# Altium PCB RFC_MB.PcbDoc (part 34 of 37) (continued)
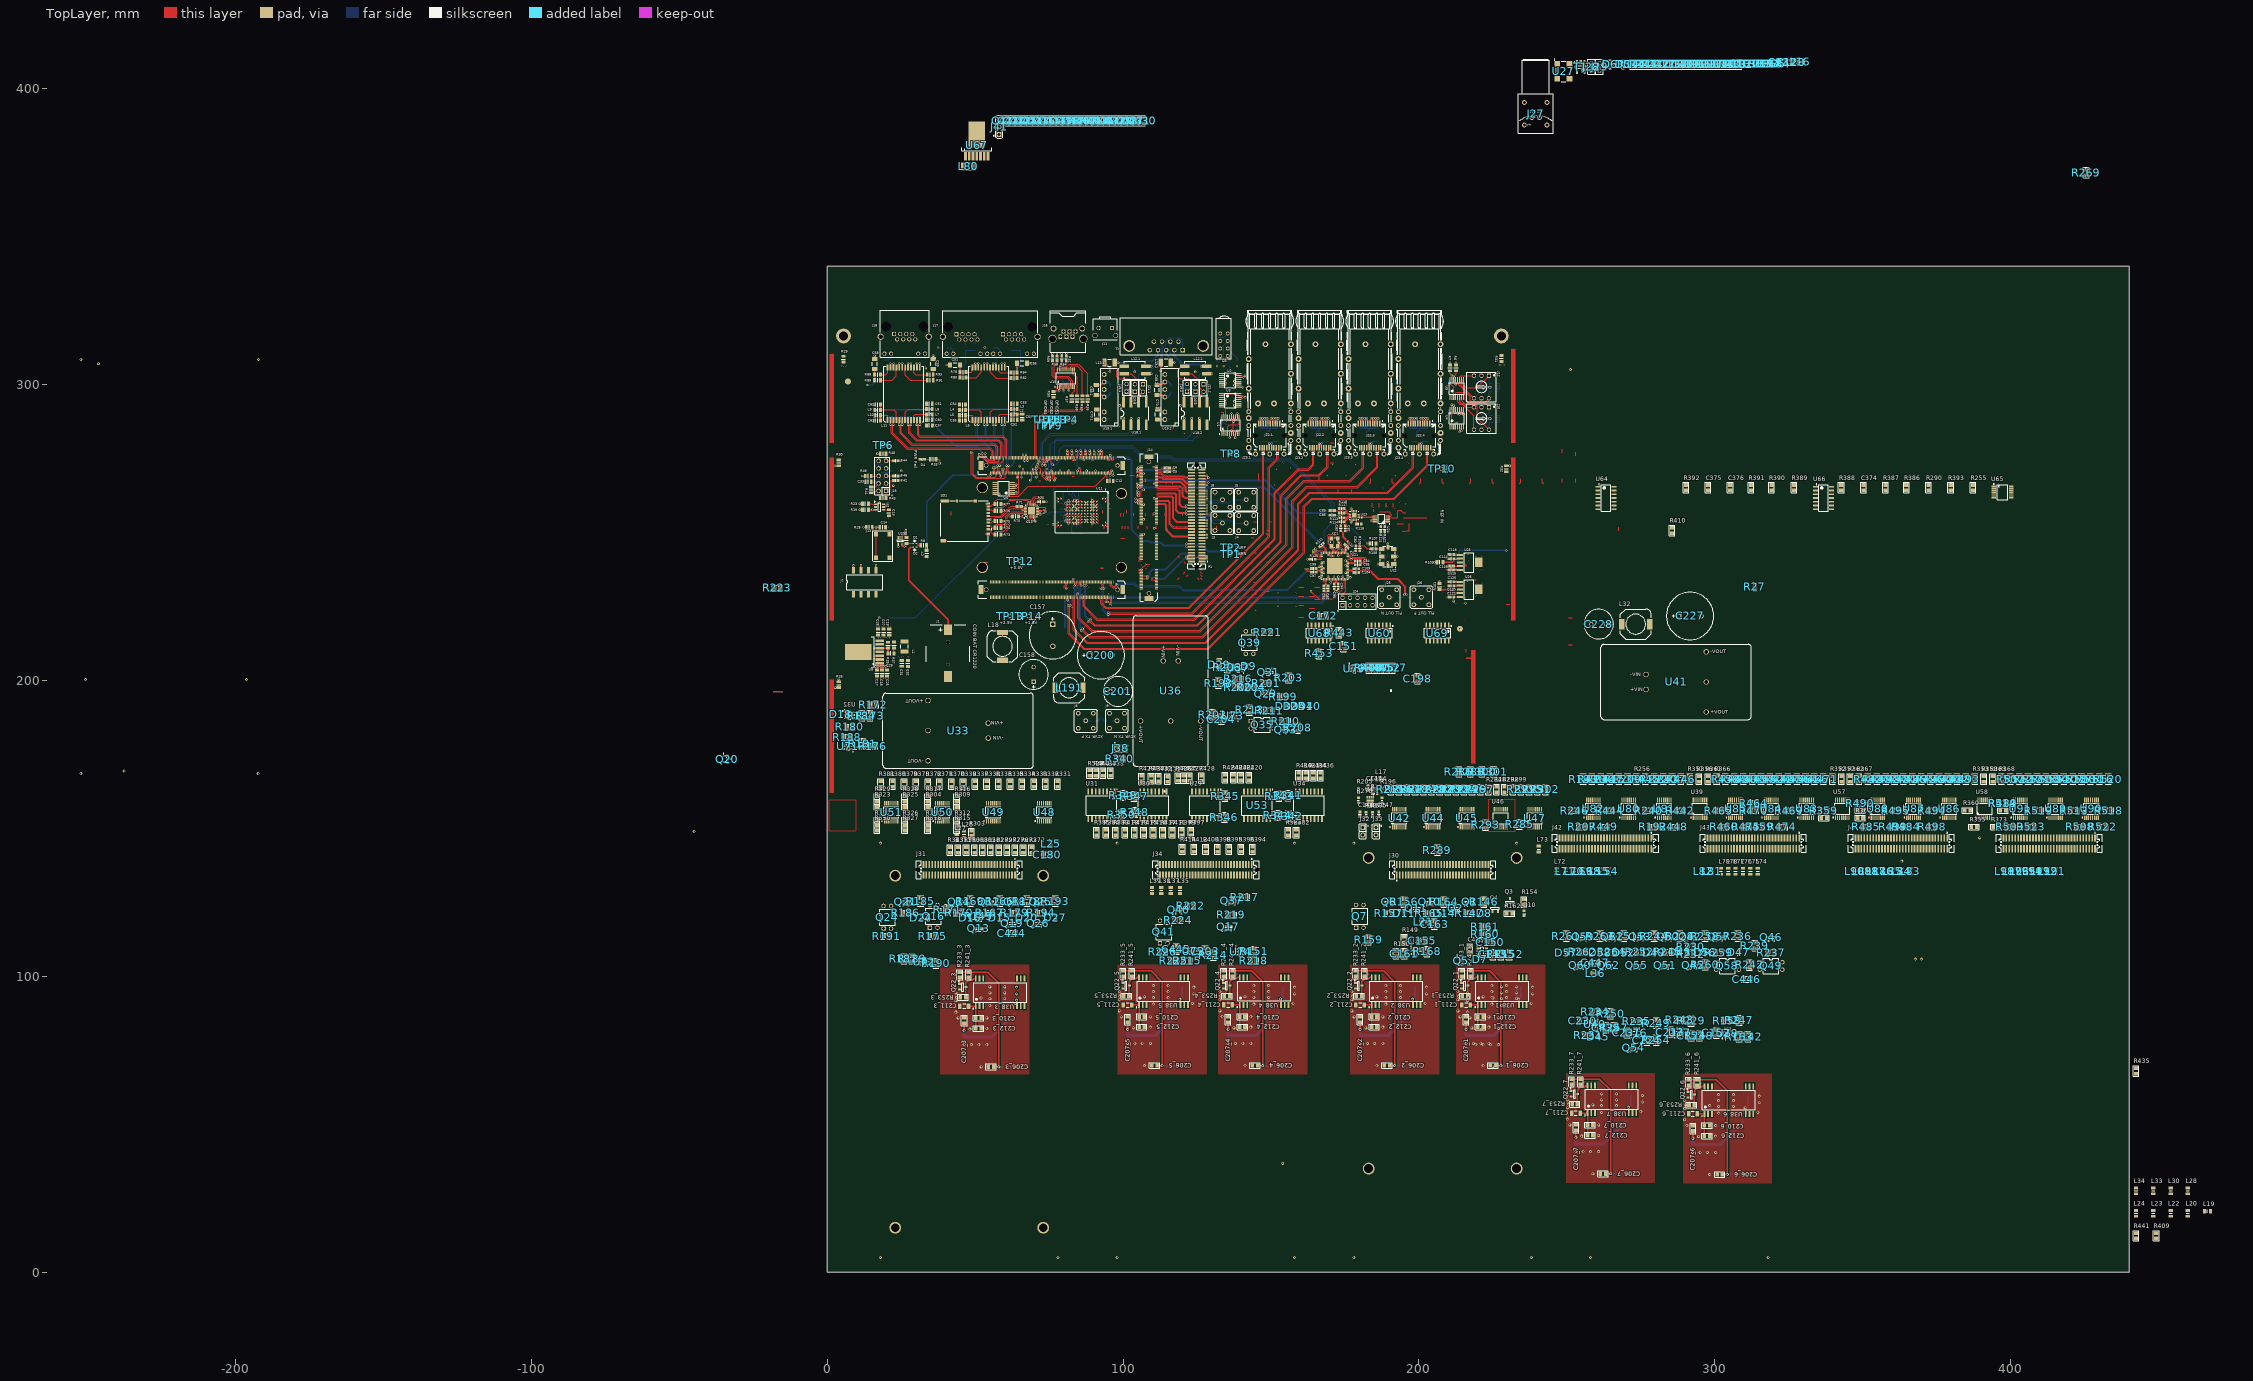
[diagram p0: TopLayer view]
## Nets (pads, with @x,y where several pads share a name; then routed paths per layer and width w, separated by ;. In a path a pad name is that pad's centre, name@x,y a point inside that pad or via, vN(x,y) a via of type N, cw(c..) or ccw(c..) an arc to the next point about the centre after c; other vN are vias at no path point) (continued)
EnAmp: J30.34 U46.5
ETH0_A_N: J14.A163 L11.3 U15.1 | length 44.3
  TopLayer w0.25: L11.3@22.39,288 v1(22.39,286.425) 22.108,286.142 22.108,283.744 27.301,278.55 55.101,278.55 56.138,277.514 56.138,275.962 56.175,275.925 J14.A163@56.175,275.25
  BottomLayer w0.25: U15.1@22.08,287.335 22.39,287.025 v1(22.39,286.425)
ETH0_A_P: J14.A165 L11.2 U15.3 | length 47.2
  TopLayer w0.25: L11.2@21.4,288 v1(21.4,286.425) 21.683,286.142 21.683,283.567 27.125,278.125 54.925,278.125 55.713,277.337 55.713,275.962 55.675,275.925 J14.A165@55.675,275.25
  BottomLayer w0.25: v1(21.4,286.425) 20.915,286.91 20.915,288.785 21.365,289.235 U15.3@22.08,289.235
ETH0_B_N: J14.A157 L11.6 U15.4 | length 46.6
  TopLayer w0.25: L11.6@25.36,288 v1(25.36,286.425) 25.078,286.142 25.078,283.624 28.776,279.925 56.601,279.925 57.637,278.889 57.637,275.962 57.675,275.925 J14.A157@57.675,275.25
  BottomLayer w0.25: U15.4@24.68,289.235 25.395,289.235 25.845,288.785 25.845,286.91 v1(25.36,286.425)
ETH0_B_P: J14.A159 L11.5 U15.6 | length 43.7
  TopLayer w0.25: L11.5@24.37,288 v1(24.37,286.425) 24.652,286.142 24.652,283.448 28.6,279.5 56.425,279.5 57.212,278.712 57.212,275.962 57.175,275.925 J14.A159@57.175,275.25
  BottomLayer w0.25: v1(24.37,286.425) 24.37,287.085 24.62,287.335 U15.6@24.68,287.335
ETH0_C_N: J14.A151 L11.9 U16.1 | length 43
  TopLayer w0.25: L11.9@28.33,288 v1(28.33,286.425) 28.048,286.142 28.048,283.627 30.35,281.325 57.976,281.325 59.138,280.164 59.138,275.962 59.175,275.925 J14.A151@59.175,275.25
  BottomLayer w0.25: U16.1@28.02,287.335 28.33,287.025 v1(28.33,286.425)
ETH0_C_P: J14.A153 L11.8 U16.3 | length 45.9
  TopLayer w0.25: L11.8@27.34,288 v1(27.34,286.425) 27.623,286.142 27.623,283.451 30.174,280.9 57.8,280.9 58.713,279.988 58.713,275.962 58.675,275.925 J14.A153@58.675,275.25
  BottomLayer w0.25: v1(27.34,286.425) 26.855,286.91 26.855,288.785 27.305,289.235 U16.3@28.02,289.235
ETH0_CTREF: C57.2 J14.A155 L7.2 L8.2 L9.2 L10.2 | length 58.2
  TopLayer w0.25: L10.2@16.06,289.585 v1(16.785,289.585) ; L9.2@16.06,291.385 v1(16.785,291.385) ; v1(34.785,289.885) L7.2@35.51,289.885 ; v1(34.785,291.685) L8.2@35.51,291.685 ; C57.2@35.51,286.185 v1(36.235,286.185) ; v1(52.425,276.675) 52.425,276.027 54.502,273.95 57.725,273.95 58.175,274.4 J14.A155@58.175,275.25
  BottomLayer w0.5: v1(16.785,289.585) v1(16.785,291.385) v1@34.785,291.385 ; v1(34.785,291.685) v1@34.785,291.385 ; v1(52.425,276.675) 52.425,277.075 50.45,279.05 43.37,279.05 v1(36.235,286.185) 36.235,288.435 v1(34.785,289.885) v1@34.785,291.385
ETH0_D_N: J14.A145 L11.12 U16.4 | length 45.5
  TopLayer w0.25: L11.12@31.3,288 v1(31.3,286.425) 31.018,286.142 31.018,282.957 31.375,282.6 59.35,282.6 60.637,281.312 60.637,275.962 60.675,275.925 J14.A145@60.675,275.25
  BottomLayer w0.25: U16.4@30.62,289.235 31.335,289.235 31.785,288.785 31.785,286.91 v1(31.3,286.425)
ETH0_D_P: J14.A147 L11.11 U16.6 | length 42.6
  TopLayer w0.25: L11.11@30.31,288 v1(30.31,286.425) 30.593,286.142 30.593,282.781 31.199,282.175 59.174,282.175 60.212,281.136 60.212,275.962 60.175,275.925 J14.A147@60.175,275.25
  BottomLayer w0.25: v1(30.31,286.425) 30.31,287.085 30.56,287.335 U16.6@30.62,287.335
ETH0_J1_N: J18.2 L11.22 | length 10.3
  TopLayer w0.3: L11.22@22.39,305.7 v1(22.39,307.065)
  MidLayer3 w0.25: v1(22.39,307.065) 22.147,307.308 22.147,307.9 23.4,309.153 23.4,314.995 J18.2@23.65,315.245
ETH0_J1_P: J18.1 L11.23 | length 12.3
  TopLayer w0.3: L11.23@21.4,305.7 v1(21.4,307.065)
  MidLayer3 w0.25: v1(21.4,307.065) 21.643,307.308 21.643,308.109 22.896,309.362 22.896,314.592 22.655,314.833 22.655,315.657 22.896,315.898 22.896,316.759 J18.1@22.63,317.025
ETH0_J2_N: J18.6 L11.19 | length 11.4
  TopLayer w0.3: L11.19@25.36,305.7 v1(25.36,307.065)
  MidLayer4 w0.25: v1(25.36,307.065) 25.117,307.308 25.117,313.85 25.417,314.15 26.635,314.15 J18.6@27.73,315.245
ETH0_J2_P: J18.3 L11.20 | length 11.4
  TopLayer w0.3: L11.20@24.37,305.7 v1(24.37,307.065)
  MidLayer4 w0.25: v1(24.37,307.065) 24.613,307.308 24.613,314.359 24.67,314.416 J18.3@24.67,317.025
ETH0_J3_N: J18.5 L11.16 | length 12
  TopLayer w0.3: L11.16@28.33,305.7 v1(28.33,307.065)
  MidLayer3 w0.25: J18.5@26.71,317.025 26.71,310.061 28.087,308.684 28.087,307.308 v1(28.33,307.065)
ETH0_J3_P: J18.4 L11.17 | length 10.4
  TopLayer w0.3: L11.17@27.34,305.7 v1(27.34,307.065)
  MidLayer3 w0.25: J18.4@25.69,315.245 25.69,314.335 26.206,313.819 26.206,309.852 27.583,308.475 27.583,307.308 v1(27.34,307.065)
ETH0_J4_N: J18.8 L11.13 | length 10.6
  TopLayer w0.3: L11.13@31.3,305.7 v1(31.3,307.065)
  MidLayer3 w0.25: J18.8@29.77,315.245 29.229,314.704 29.229,309.912 31.057,308.084 31.057,307.308 v1(31.3,307.065)
ETH0_J4_P: J18.7 L11.14 | length 12.2
  TopLayer w0.3: L11.14@30.31,305.7 v1(30.31,307.065)
  MidLayer3 w0.25: J18.7@28.75,317.025 28.725,317 28.725,309.703 30.553,307.875 30.553,307.308 v1(30.31,307.065)
ETH0_LED1: J14.A149 J18.9 | length 72.3
  TopLayer w0.15: v1(51.4,276.4) 51.4,276.3 51.4,275.875 51.675,275.6 52.225,275.6 54.3,273.525 58.9,273.525 59.675,274.3 J14.A149@59.675,275.25
  MidLayer3 w0.15: J18.9@19.33,310.415 19.33,307.045 20.1,306.275 38.05,306.275 38.35,305.975 38.35,283.881 46.056,276.175 50.035,276.175 50.26,276.4 v1(51.4,276.4)
ETH0_LED2: J14.A161 J18.11 | length 58.5
  TopLayer w0.15: v1(53.425,276.675) 53.425,275.725 54.825,274.325 56.55,274.325 56.675,274.45 J14.A161@56.675,275.25
  MidLayer3 w0.15: J18.11@30.76,310.415 31.945,311.6 36.075,311.6 38.675,309 38.675,284.015 46.19,276.5 49.9,276.5 50.675,277.275 52.825,277.275 v1(53.425,276.675)
ETH1_CTREF: C50.2 J14.A154 L2.2 L3.2 L4.2 L5.2 | length 50.9
  TopLayer w0.25: L5.2@44.755,289.585 v1(45.48,289.585) ; L4.2@44.755,291.385 v1(45.48,291.385) ; v1(58.675,269) J14.A154@58.675,270.05 ; v1(63.48,289.885) L2.2@64.205,289.885 ; v1(63.48,291.685) L3.2@64.205,291.685
  TopLayer w0.5: L2.2@64.205,289.885 64.295,289.975 65.8,289.975 C50.2@65.9,289.975
  BottomLayer w0.5: v1(45.48,289.585) v1(45.48,291.385) 45.78,291.685 v1(63.48,291.685) v1(63.48,289.885) 63.48,289.855 62.275,288.65 62.275,275.45 63,274.725 63,273.325 v1(58.675,269)
ETH1_LED1: J14.A160 J17.9B | length 56.6
  TopLayer w0.15: 49.4,277.15 49.425,277.125 49.425,269.61 50.335,268.7 56.875,268.7 57.175,269 J14.A160@57.175,270.05
  MidLayer3 w0.15: J17.9B@40.365,310.375 39.325,309.335 39.325,284.285 45.835,277.775 49.1,277.775 49.4,277.475 49.4,277.15
ETH1_LED2: J14.A148 J17.9A | length 83
  TopLayer w0.15: v1(48.675,277.125) 48.675,269.9 50.2,268.375 59.85,268.375 60.175,268.7 J14.A148@60.175,270.05
  MidLayer3 w0.15: v1(48.675,277.125) 48.35,277.45 45.7,277.45 39,284.15 39,310.9 39.725,311.625 44.05,311.625 49.5,306.175 54.35,306.175 55.075,306.9 55.075,309.335 J17.9A@56.115,310.375
ETH1A_RX_N: J14.A156 L6.6 U13.4 | length 24.3
  TopLayer w0.15: J14.A156@58.175,270.05 58.175,270.675 58.127,270.723 58.127,272.442 v1(58.26,272.575)
  TopLayer w0.25: v1(54.055,286.425) L6.6@54.055,288
  BottomLayer w0.25: U13.4@53.375,289.235 54.09,289.235 54.54,288.785 54.54,286.91 v1(54.055,286.425) ; v1(58.26,272.575) 58.138,272.698 58.138,278.139 53.775,282.501 v1@53.775,286.145 ; v1@53.775,286.145 v1(54.055,286.425) ; v1@53.775,286.145 v1(54.055,286.425)
ETH1A_RX_P: J14.A158 L6.5 U13.6 | length 21.1
  TopLayer w0.15: v1(57.59,272.575) 57.723,272.442 57.723,270.723 57.675,270.675 J14.A158@57.675,270.05
  TopLayer w0.25: v1(53.065,286.425) L6.5@53.065,288
  BottomLayer w0.25: U13.6@53.375,287.335 53.315,287.335 53.065,287.085 v1(53.065,286.425) 53.35,286.14 53.35,282.325 57.713,277.963 57.713,272.698 v1(57.59,272.575)
ETH1A_TX_N: J14.A162 L6.3 U13.1 | length 21.6
  TopLayer w0.15: J14.A162@56.675,270.05 56.675,270.675 56.627,270.723 56.627,271.667 56.627,271.692 v1(56.76,271.825)
  TopLayer w0.25: v1(51.085,286.425) L6.3@51.085,288
  BottomLayer w0.25: U13.1@50.775,287.335 51.085,287.025 v1(51.085,286.425) 50.802,286.142 50.802,282.749 56.637,276.914 56.637,271.948 v1(56.76,271.825)
ETH1A_TX_P: J14.A164 L6.2 U13.3 | length 25.2
  TopLayer w0.15: v1(56.09,271.825) 56.223,271.692 56.223,271.667 56.223,270.723 56.175,270.675 J14.A164@56.175,270.05
  TopLayer w0.25: v1(50.095,286.425) L6.2@50.095,288
  BottomLayer w0.25: U13.3@50.775,289.235 50.06,289.235 49.61,288.785 49.61,286.91 ; v1(56.09,271.825) 56.212,271.948 56.212,276.737 50.378,282.572 50.378,286.142 v1(50.095,286.425) ; 49.61,286.91 v1(50.095,286.425) ; 49.61,286.91 v1(50.095,286.425)
ETH1B_RX_N: J14.A144 L6.12 U14.4 | length 23.1
  TopLayer w0.15: J14.A144@61.175,270.05 61.175,270.675 61.127,270.723 61.127,272.442 v1(61.26,272.575)
  TopLayer w0.25: v1(59.995,286.425) L6.12@59.995,288
  BottomLayer w0.25: U14.4@59.315,289.235 60.03,289.235 60.48,288.785 60.48,286.91 v1(59.995,286.425) ; v1(61.26,272.575) 61.138,272.698 61.138,280.664 59.713,282.089 v1@59.713,286.142 ; v1@59.713,286.142 v1(59.995,286.425) ; v1@59.713,286.142 v1(59.995,286.425)
ETH1B_RX_P: J14.A146 L6.11 U14.6 | length 19.9
  TopLayer w0.15: v1(60.59,272.575) 60.723,272.442 60.723,270.723 60.675,270.675 J14.A146@60.675,270.05
  TopLayer w0.25: v1(59.005,286.425) L6.11@59.005,288
  BottomLayer w0.25: U14.6@59.315,287.335 59.255,287.335 59.005,287.085 v1(59.005,286.425) 59.288,286.142 59.288,281.912 60.713,280.487 60.713,272.698 v1(60.59,272.575)
ETH1B_TX_N: J14.A150 L6.9 U14.1 | length 20.4
  TopLayer w0.15: J14.A150@59.675,270.05 59.675,270.675 59.627,270.723 59.627,271.178 v1(59.773,271.325)
  TopLayer w0.25: v1(57.025,286.425) L6.9@57.025,288
  BottomLayer w0.25: U14.1@56.715,287.335 57.025,287.025 v1(57.025,286.425) 56.742,286.142 56.742,282.209 59.65,279.301 59.65,271.448 v1(59.773,271.325)
ETH1B_TX_P: J14.A152 L6.8 U14.3 | length 23.7
  TopLayer w0.15: v1(59.09,271.325) 59.223,271.192 59.223,270.723 59.175,270.675 J14.A152@59.175,270.05
  TopLayer w0.25: v1(56.035,286.425) L6.8@56.035,288
  BottomLayer w0.25: U14.3@56.715,289.235 56,289.235 55.55,288.785 55.55,286.91 v1(56.035,286.425) ; v1(59.09,271.325) 59.225,271.46 59.225,279.125 56.317,282.033 v1@56.317,286.142 ; v1(56.035,286.425) v1@56.317,286.142 ; v1(56.035,286.425) v1@56.317,286.142
FPGA_CONFDONE: J14.A130 U6.1 | length 9
  TopLayer w0.15: U6.1@62.56,262.89 64.24,262.89 64.675,263.325 J14.A130@64.675,270.05
FPGA_CONFDONE_LED: R25.1 U6.2 | length 107.7
  TopLayer w0.15: U6.2@62.56,263.54 v1(63.84,263.54)
  MidLayer3 w0.15: v1(63.84,263.54) 64.85,264.55 64.85,269.325 68.25,272.725 68.25,274.25 69.32,275.32 79.67,275.32 80.65,276.3 80.65,278.9 82.225,280.475 129.336,280.475 130.495,281.634 130.495,295.678 133.2,298.383 133.2,304.775 v1(131.75,306.225)
  BottomLayer w0.15: R25.1@131.75,305.5 v1(131.75,306.225)
FPLLIN_N: C83.1 R113.1 U23.11 | length 6.2
  TopLayer w0.15: C83.1@173.725,252.15 173.725,252.8 173.85,252.925 173.85,254.15 R113.1@174.65,254.95 175.15,254.45 175.375,254.45 175.525,254.6 175.525,255.097 175.815,255.388 176.087,255.388 176.175,255.475 U23.11@176.7,255.475
FPLLIN_P: C82.1 R114.1 U23.12 | length 4.5
  TopLayer w0.15: C82.1@174.925,252.2 174.925,252.725 174.65,253 R114.1@174.65,253.6 175.175,254.125 175.51,254.125 175.85,254.465 175.85,254.963 175.95,255.062 176.087,255.062 176.175,254.975 U23.12@176.7,254.975
GEPAD: U23.17
GlobEn: J41.2 R401.2 R452.2
GND: C1.2 C2.2 C3.2 C4.2 C7.1 C10.2 C11.1 C12.1 C13.2 C14.2 C15.1 C16.2 C17.2 C18.2 C19.2 C20.2 C21.2 C22.1 C23.1 C24.1 C25.1 C26.1 C27.1 C28.1 C30.1 C31.1 C32.1 C33.1 C34.2 C35.2 C38.1 C39.2 C40.2 C41.2 C42.1 C43.2 C44.2 C45.2 C46.2 C47.2 C48.2 C49.2 C50.1 C52.1 C53.1 C54.1 C55.1 C57.1 C60.1 C61.1 C62.1 C63.1 C66.1.1 C66.2.1 C69.1.1 C69.2.1 C70.1.1 C70.2.1 C71.1 C72.1 C73.1.1 C73.2.1 C73.3.1 C73.4.1 C74.1.1 C74.2.1 C74.3.1 C74.4.1 C75.1.1 C75.2.1 C75.3.1 C75.4.1 C76.1.1 C76.2.1 C76.3.1 C76.4.1 C77.1.1 C77.2.1 C77.3.1 C77.4.1 C78.2 C79.2 C81.1 C86.1 C87.1 C90.2 C91.2 C96.1 C98.1 C100.1 C101.1 C102.1 C103.1 C105.1 C106.1 C107.1 C108.1 C110.1 C111.1 C112.1 C113.1 C114.2 C115.2 C116.1 C117.1 C118.1 C119.1 C120.2 C121.2 C123.1 C124.1 C125.1 C126.1 C127.1 C128.2 C129.1 C130.1 C131.1 C132.2 C134.1 C136.1 C137.2 C138.2 C142.2 C143.1 C148.1 C149.1 C150.1 C151.1 C152.1 C153.1 C155.1 C157.2 C158.2 C159.1 C160.1 C161.2 C162.1 C163.1 C164.1 C165.1 C166.1 C167.2 C169.1 C170.1 C171.2 C174.2 C178.1 C180.1 C185.1 C189.2 C194.1 C198.1 C200.2 C201.2 C206_1.1 C206_2.1 C206_3.1 C206_4.1 C206_5.1 C206_6.1 C206_7.1 C207_1.1 C207_2.1 C207_3.1 C207_4.1 C207_5.1 C207_6.1 C207_7.1 C208.1 C209_1.1 C209_2.2 C209_3.2 C209_6.1 C209_7.2 C210_1.1 C210_2.1 C210_3.1 C210_4.1 C210_5.1 C210_6.1 C210_7.1 C211_1.1 C211_2.1 C211_3.1 C211_4.1 C211_5.1 C211_6.1 C211_7.1 C212_1.1 C212_2.1 C212_3.1 C212_4.1 C212_5.1 C212_6.1 C212_7.1 C213.1 C214.1 C215_1.1 C215_2.2 C215_3.2 C215_6.1 C215_7.2 C217.2 C218.1 C219.1 C220.1 C221.1 C222.1 C223.1 C224.2 C225.2 C226.1 C227.2 C228.2 C229.1 C230.1 C231.1 C232.1 C233.1 C239.1 C240.1 C244.2 C245.1 C246.1 C247.1 C248.1 C249.1 C250.1 C251.1 C252.1 C253.1 C254.1 C255.1 C256.1 C257.1 C258.1 C260.1 C261.1 C263.1 C265.1 C267.1 C269.1 C270.1 C271.1 C272.1 C323.1 C324.2 C325.1 C326.2 C374.1 C375.2 C376.2 C414.2 C415.2 C416.2 C417.2 C418.2 C420.1 C421.1 C422.1 C423.1 C424.1 C425.1 C426.1 C427.1 C428.1 C429.1 C430.1 C431.1 C432.1 C435.1 C436.1 C438.1 C439.1 C440.2 C442.1 C443.2 C444.2 C446.2 C447.1 C448.1 C449.1 C450.1 C451.1 C452.1 C453.1 C454.1 C455.1 C456.1 C457.1 C458.1 C459.1 C460.1 C461.1 C462.1 C463.1 C464.1 C465.1 C466.1 C467.1 C468.1 C469.1 D3.2 D3.4 D3.6 D3.8 D4.1 D5.1 D5.2 D6.1 D6.2 D7.2 D8.1 D10.1 D11.2 D14.1 D15.1 D16.2 D18.2 D20.1 D24.2 D27.1 D43.1 D45.2 D47.2 D49.1 D52.1 D56.2 D57.1 D58.1 J1.2 J3.2 J4.2 J5.2 J6.2 J7.1 J7.2 J7.3 J7.4 J8.2 J9.2 J10.C1 J10.C2 J11.2 J12.C1 J12.C2 J13.3 J13.4 J14.A13 J14.A14 J14.A20 J14.A23 J14.A32 J14.A35 J14.A44 J14.A47 J14.A56 J14.A59 J14.A68 J14.A71 J14.A80 J14.A83 J14.A96 J14.A99 J14.A108 J14.A109 J14.A120 J14.A125 J14.A134 J14.A135 J14.A138 J14.A139 J14.A142 J14.A143 J14.A166 J14.A167 J14.B1 J14.B2 J14.B11 J14.B14 J14.B15 J14.B18 J14.B19 J14.B22 J14.B23 J14.B26 J14.B27 J14.B30 J14.B31 J14.B34 J14.B35 J14.B38 J14.B39 J14.B42 J14.B43 J14.B46 J14.B49 J14.B58 J14.B61 J14.B70 J14.B73 J14.B82 J14.B85 J14.B98 J14.B105 J14.B118 J14.B121 J14.B134 J14.B137 J14.B146 J14.B149 J14.B158 J14.B161 J14.C1 J14.C2 J14.C11 J14.C14 J14.C15 J14.C18 J14.C19 J14.C22 J14.C23 J14.C26 J14.C27 J14.C30 J14.C31 J14.C34 J14.C35 J14.C38 J14.C39 J14.C42 J14.C43 J14.C46 J14.C49 J14.C52 J14.C55 J14.C58 J14.C61 J14.C64 J14.C67 J14.C70 J14.C73 J14.C86 J14.C93 J14.C106 J14.C113 J14.C126 J14.C133 J14.C146 J14.C149 J14.C152 J14.C155 J14.C167 J14.C168 J15.10 J16.3 J16.4 J22.1.1 J22.1.10 J22.1.11 J22.1.14 J22.1.17 J22.1.20 J22.2.1 J22.2.10 J22.2.11 J22.2.14 J22.2.17 J22.2.20 J22.3.1 J22.3.10 J22.3.11 J22.3.14 J22.3.17 J22.3.20 J22.4.1 J22.4.10 J22.4.11 J22.4.14 J22.4.17 J22.4.20 J23.1.1 J23.1.2 J23.1.3 J23.1.4 J23.1.5 J23.1.6 J23.1.7 J23.1.8 J23.1.9 J23.1.10 J23.1.11 J23.1.12 J23.1.13 J23.1.14 J23.1.15 J23.1.16 J23.1.17 J23.1.18 J23.1.19 J23.1.20 J23.2.1 J23.2.2 J23.2.3 J23.2.4 J23.2.5 J23.2.6 J23.2.7 J23.2.8 J23.2.9 J23.2.10 J23.2.11 J23.2.12 J23.2.13 J23.2.14 J23.2.15 J23.2.16 J23.2.17 J23.2.18 J23.2.19 J23.2.20 J23.3.1 J23.3.2 J23.3.3 J23.3.4 J23.3.5 J23.3.6 J23.3.7 J23.3.8 J23.3.9 J23.3.10 J23.3.11 J23.3.12 J23.3.13 J23.3.14 J23.3.15 J23.3.16 J23.3.17 J23.3.18 J23.3.19 J23.3.20 J23.4.1 J23.4.2 J23.4.3 J23.4.4 J23.4.5 J23.4.6 J23.4.7 J23.4.8 J23.4.9 J23.4.10 J23.4.11 J23.4.12 J23.4.13 J23.4.14 J23.4.15 J23.4.16 J23.4.17 J23.4.18 J23.4.19 J23.4.20 J24.8 J24.9 J24.10 J25.2 J26.2 J29.2 J30.1 J30.4 J30.5 J30.8 J30.9 J30.12 J30.13 J30.16 J30.17 J30.20 J30.21 J30.24 J30.25 J30.28 J30.29 J30.32 J30.33 J30.36 J30.37 J30.40 J30.41 J30.44 J30.45 J30.48 J30.49 J30.52 J30.53 J30.56 J30.57 J30.60 J30.61 J30.64 J31.1 J31.4 J31.5 J31.8 J31.9 J31.12 J31.13 J31.16 J31.17 J31.20 J31.21 J31.24 J31.25 J31.28 J31.29 J31.32 J31.33 J31.36 J31.37 J31.40 J31.41 J31.44 J31.45 J31.48 J31.49 J31.52 J31.53 J31.56 J31.57 J31.60 J31.61 J31.64 J32.2 J33.2 J38.1 J41.3 J42.2 J42.3 J42.6 J42.7 J42.10 J42.11 J42.14 J42.15 J42.18 J42.19 J42.22 J42.23 J42.26 J42.27 J42.30 J42.31 J42.34 J42.35 J42.38 J42.39 J42.42 J42.43 J42.46 J42.47 J42.50 J42.51 J42.54 J42.55 J42.58 J42.59 J42.62 J42.63 J43.2 J43.3 J43.6 J43.7 J43.10 J43.11 J43.14 J43.15 J43.18 J43.19 J43.22 J43.23 J43.26 J43.27 J43.30 J43.31 J43.35 J43.36 J43.39 J43.40 J43.43 J43.44 J43.47 J43.48 J43.51 J43.52 J43.55 J43.56 J43.59 J43.60 J43.63 J43.64 J44.2 J44.3 J44.6 J44.7 J44.10 J44.11 J44.14 J44.15 J44.18 J44.19 J44.22 J44.23 J44.26 J44.27 J44.30 J44.31 J44.34 J44.35 J44.38 J44.39 J44.42 J44.43 J44.46 J44.47 J44.50 J44.51 J44.54 J44.58 J44.59 J44.62 J44.63 J45.2 J45.3 J45.6 J45.7 J45.10 J45.11 J45.14 J45.15 J45.18 J45.19 J45.22 J45.23 J45.26 J45.27 J45.30 J45.31 J45.35 J45.36 J45.39 J45.40 J45.43 J45.44 J45.47 J45.48 J45.51 J45.52 J45.55 J45.56 J45.59 J45.60 J45.63 J45.64 P1.1 P1.2 P1.7 P1.8 P1.10 P1.13 P1.15 P1.16 P1.21 P1.22 P1.31 P1.32 P1.41 P1.42 P1.51 P1.52 P1.61 P1.62 P1.63 P1.64 Q2.2 Q4.2 Q5.2 Q7.2 Q7.4 Q11.2 Q13.2 Q16.2 Q16.4 Q19.2 Q20.2 Q22_1.2 Q22_2.2 Q22_3.2 Q22_4.2 Q22_5.2 Q22_6.2 Q22_7.2 Q24.2 Q24.4 Q26.2 Q39.2 Q45.2 Q49.2 Q49.4 Q51.2 Q54.2 Q55.2 Q58.2 Q58.4 Q60.2 Q62.2 R14.2 R18.2 R29.2 R30.1 R31.2 R32.1 R38.2 R39.2 R43.2 R50.1 R69.1 R109.2 R113.2 R114.2 R115.1 R116.2 R117.1 R118.1 R120.2 R124.2 R127.1 R129.1 R131.1 R135.1 R142.1 R143.1 R144.1 R150.1 R155.1 R163.1 R173.1 R181.1 R189.1 R248.2 R253_1.2 R253_2.2 R253_3.2 R253_4.2 R253_5.2 R253_6.2 R253_7.2 R254.1 R257.1 R270.1 R271.1 R275.1 R315.1 R316.1 R317.1 R318.1 R327.1 R328.1 R329.1 R330.1 R340.1 R374.2 R375.2 R376.2 R377.1 R404.2 R405.1 R409.1 R441.1 R450.2 R451.2 R454.2 R455.1 R476.2 R477.2 R478.2 R479.1 R500.2 R501.2 R502.2 R503.1 R524.2 R525.2 R526.2 R527.1 SD1.6 TP4.1 TP6.1 TP8.1 TP10.1 U1.3 U1.10 U2.1 U2.2 U2.3 U2.8 U3.2 U3.3 U3.8 U4.1 U4.3 U4.8 U5.1 U5.2 U5.8 U6.7 U6.9 U6.11 U6.13 U7.2 U8.0 U8.4 U9.2 U10.18 U11.G2 U11.G3 U11.G4 U11.G5 U11.G6 U11.G7 U11.G8 U11.G9 U11.H2 U11.H9 U11.J5 U11.L3 U11.L8 U11.M4 U11.M7 U11.P2 U11.P9 U12.2 U12.11 U12.25 U13.2 U14.2 U15.2 U16.2 U18.1.4 U18.2.4 U19.1.2 U19.2.2 U20.2 U21.65 U22.3 U23.7 U23.14 U24.8 U25.0 U25.3 U26.0 U26.3 U27.2 U28.5 U29.2 U29.8 U30.9 U30.15 U31.2 U31.8 U32.2 U33.2 U33.4 U34.9 U34.15 U36.2 U38_1.2 U38_1.3 U38_1.12 U38_2.2 U38_2.3 U38_2.13 U38_3.2 U38_3.3 U38_3.13 U38_4.2 U38_4.3 U38_5.2 U38_5.3 U38_6.2 U38_6.3 U38_6.12 U38_7.2 U38_7.3 U38_7.13 U39.1 U39.2 U39.7 U39.8 U39.9 U39.10 U40.2 U41.2 U41.4 U42.1 U42.2 U42.7 U42.8 U42.9 U42.10 U43.5 U43.7 U43.12 U43.13 U44.1 U44.2 U44.7 U44.9 U44.10 U45.1 U45.9 U45.10 U46.2 U46.7 U46.8 U46.9 U46.10 U47.2 U47.7 U47.8 U47.9 U47.10 U48.2 U48.8 U48.9 U48.10 U49.1 U49.2 U49.7 U49.8 U49.9 U49.10 U50.9 U50.10 U51.9 U51.10 U53.2 U53.8 U57.9 U57.10 U58.9 U58.10 U60.7 U64.7 U65.1 U65.4 U65.7 U65.10 U65.13 U66.7 U67.0 U67.4 U68.7 U69.7 U70.2 U71.5 U72.5 U76.5 U77.2 U78.5 U79.2 U80.1 U80.2 U80.7 U80.8 U80.9 U80.10 U81.9 U81.10 U82.9 U82.10 U83.1 U83.2 U83.7 U83.8 U83.9 U83.10 U84.9 U84.10 U85.9 U85.10 U86.1 U86.2 U86.7 U86.8 U86.9 U86.10 U87.9 U87.10 U88.9 U88.10 U89.1 U89.2 U89.7 U89.8 U89.9 U89.10 U90.9 U90.10 U91.9 U91.10 XC1.2 XC1.4 | length 151.1
  TopLayer w0.15: 53.39,239.835 54.335,239.835 ; 99.16,248.04 100.56,248.04 ; 118.55,234.125 119.05,234.625 ; 118.55,242.125 119.05,241.625 ; 120.55,236.125 121.05,236.625 ; 120.55,240.125 121.05,239.625 ; 121.55,235.125 122.05,235.625 ; 121.55,241.125 122.05,240.625 ; 123.55,239.125 124.05,238.625 ; 125.05,234.625 125.55,234.125 ; 125.05,241.625 125.55,242.125 ; 126.05,234.625 126.55,234.125 ; 126.05,235.625 126.55,235.125 ; 126.05,236.625 126.55,236.125 ; 126.05,237.625 126.55,237.125 ; 126.05,238.625 126.55,239.125 ; 126.05,239.625 P1.1@126.55,240.125 ; 126.05,240.625 126.55,241.125 ; 126.05,241.625 126.55,242.125 ; 143.325,248.15 144.125,248.15 ; 143.325,249.65 144.125,249.65 ; 144.125,229.15 144.925,229.15 ; 144.125,233.15 144.925,233.15 ; 144.125,238.15 144.925,238.15 ; 144.125,243.15 144.925,243.15 ; 144.2,253.618 145,253.618 ; 148.15,249.7 148.7,249.15 149.325,249.15 ; 148.525,230.15 149.325,230.15 ; 148.525,240.15 149.325,240.15 ; 148.525,245.15 149.325,245.15 ; 148.525,250.65 149.325,250.65 ; 149.35,253.643 150.15,253.643 ; 172.7,263.3 172.7,264.475 ; 210.125,236.2 211.05,236.2 ; 210.6,237.85 211.05,237.85 ; 215.309,220.171 215.321,220.171 ; 215.9,234.7 215.9,235.525 ; 215.9,238.425 215.9,239.25 ; 250.507,211.975 251.875,211.975
  TopLayer w0.2: 41.9,255.75 41.9,256.95 ; 69.265,255.96 U12.25@69.265,257.51 ; 93.675,251.3 93.675,252.1 ; 99.675,251.3 99.675,252.1 ; 100.675,251.3 100.675,252.1 ; 101.675,251.3 101.675,252.1 ; 103.675,255.7 103.675,256.5 ; 105.175,251.3 105.175,252.1 ; 106.275,236.55 106.275,237.675 106.275,237.8 107.775,239.3 109.025,239.3 ; 107.675,255.7 107.675,256.5 ; 108.175,251.3 108.175,252.1 ; 110.175,255.7 110.175,256.5 ; 111.175,251.3 111.175,252.1 ; 114.175,255.7 114.175,256.5 ; 115.175,250.5 115.175,251.3 ; 117.175,255.7 117.175,256.5 ; 118.175,251.3 118.175,252.1 ; 120.175,255.7 120.175,256.5 ; 121.175,251.3 121.175,252.1 ; 123.175,255.7 123.175,256.5 ; 124.175,250.5 124.175,251.3 ; 126.175,255.7 126.175,256.5 ; 127.175,250.5 127.175,251.3 ; 129.175,255.7 129.175,256.5 ; 130.175,250.5 130.175,251.3 ; 131.675,251.3 131.675,252.1 ; J3.2@131.675,255.7 131.675,256.5 ; 159.35,221.4 161.1,221.4 ; 159.35,225.4 161.1,225.4 ; 159.35,228.4 161.1,228.4 ; 159.35,231.4 161.1,231.4 ; 162.95,224.4 164.7,224.4 ; 162.95,228.4 164.7,228.4 ; 164.7,221.4 166.45,221.4 ; 164.7,227.4 166.45,227.4 ; 164.7,231.4 166.45,231.4 ; 218.5,234.075 219.3,234.075 ; 229.45,225.64 230.71,225.64 ; 267.5,250.575 267.5,251.775
  TopLayer w0.25: 54.035,269.035 54.76,269.035 ; 54.06,274.435 54.785,274.435 ; 71.51,267.435 72.235,267.435 ; 72.785,269.335 73.51,269.335 ; 72.785,274.735 73.51,274.735 ; 82.75,269.025 83.475,269.025 ; 82.75,274.45 83.475,274.45 ; 92.925,257.55 93.175,257.3 93.175,256.5 ; 99.175,255.45 99.175,256.5 ; 100.175,255.45 100.175,256.5 ; 101.175,256.5 101.175,257.55 ; 101.475,274.75 102.2,274.75 ; 102.2,269.325 103.8,269.325 ; 116.735,285.06 117.085,285.41 117.085,286.31 ; 170.08,273.575 171.255,273.575 ; 170.08,280.35 171.255,280.35 ; 171.255,277.475 172.43,277.475 ; 171.255,284.9 172.43,284.9
  TopLayer w0.3: 145.825,267.625 145.825,269.85 ; 166.3,267.625 166.3,269.85 ; 177.25,263.225 177.25,264.475 ; 183.35,266.45 183.775,266.875 183.775,268.05 ; 184.175,258.575 184.175,259.85 ; 186.575,258.575 186.575,259.85 ; 188.975,258.575 188.975,259.85 ; 190.975,268.05 190.975,266.875 191.4,266.45 ; 191.375,258.575 191.375,259.85 ; 200.225,266.45 200.65,266.875 200.65,268.05 ; 207.85,268.05 207.85,266.875 208.275,266.45 ; 217.1,266.45 217.525,266.875 217.525,268.05 ; 224.725,268.05 224.725,266.875 225.15,266.45 ; 233.975,266.45 234.4,266.875 234.4,268.05 ; 241.6,268.05 241.6,266.875 242.025,266.45 ; 248.45,266.93 248.45,268.1 ; 248.45,276.955 248.45,278.1 ; 250.507,221.133 251.875,221.133 ; 253,266.93 253,268.1 ; 253,275.905 253,277.075
  TopLayer w0.5: -18.3,196.21 -15.065,196.21 ; 92.375,237.825 93.325,237.825 ; v2(233.65,92.3) 233.82,92.13 U38_1.12@233.82,90.3 ; v2(310.25,55.5) 310.42,55.33 U38_6.12@310.42,53.5
  BottomLayer w0.5: 59.5,92.3 60.05,92.85 60.05,94.046 v2@60.05,96.3 ; 232.45,92.3 233,92.85 233,94.046 v2@233,96.3 ; v2(233.65,92.3) 233.9,92.3 234.45,92.85 C209_1.1@234.45,94.046 C215_1.1@234.45,96.3 ; v2(310.25,55.5) 310.5,55.5 311.05,56.05 C209_6.1@311.05,57.246 C215_6.1@311.05,59.5
  other v2: 298.25,33 258.75,33.25 292.5,40.5 295,40.5 297.5,40.5 300.25,40.5 253,40.75 255.5,40.75 258,40.75 260.75,40.75 294.5,45.75 255,46 300.25,46 260.75,46.25 290.5,49.5 300.25,49.5 251,49.75 260.75,49.75 289.75,51.5 250.25,51.75 301.25,53.75 261.75,54 314.5,54 275,54.25 289.75,55.25 250.25,55.5 301.25,56 306.25,56 261.75,56.25 266.75,56.25 298.25,56.25 258.75,56.5 290,56.5 250.5,56.75 315,57.25 275.5,57.5 289.75,58 301.25,58 306.25,58 250.25,58.25 261.75,58.25 266.75,58.25 315,59.5 275.5,59.75 301.25,60 306.25,60 261.75,60.25 266.75,60.25 52,69.4 224.95,69.4 107.2,69.8 185.8,69.8 221.65,69.8 141.199,69.823 46.25,76.9 48.75,76.9 51.25,76.9 54,76.9 219.2,76.9 221.7,76.9 224.2,76.9 226.95,76.9 101.45,77.3 103.95,77.3 106.45,77.3 109.2,77.3 180.05,77.3 182.55,77.3 185.05,77.3 187.8,77.3 215.9,77.3 218.4,77.3 220.9,77.3 223.65,77.3 135.449,77.323 137.949,77.323 140.449,77.323 143.199,77.323 48.25,82.15 221.2,82.15 54,82.4 226.95,82.4 103.45,82.55 182.05,82.55 217.9,82.55 137.449,82.573 109.2,82.8 187.8,82.8 223.65,82.8 143.199,82.823 44.25,85.9 54,85.9 217.2,85.9 226.95,85.9 99.45,86.3 109.2,86.3 178.05,86.3 187.8,86.3 213.9,86.3 223.65,86.3 133.449,86.323 143.199,86.323 43.5,87.9 216.45,87.9 98.7,88.3 177.3,88.3 213.15,88.3 132.699,88.323 55,90.15 227.95,90.15 110.2,90.55 188.8,90.55 224.65,90.55 144.199,90.573 123.45,90.8 202.05,90.8 237.9,90.8 157.449,90.823 43.5,91.65 216.45,91.65 98.7,92.05 177.3,92.05 213.15,92.05 132.699,92.073 55,92.4 60,92.4 227.95,92.4 232.95,92.4 52,92.65 224.95,92.65 110.2,92.8 115.2,92.8 188.8,92.8 193.8,92.8 224.65,92.8 229.65,92.8 144.199,92.823 149.199,92.823 43.75,92.9 216.7,92.9 107.2,93.05 185.8,93.05 221.65,93.05 141.199,93.073 98.95,93.3 177.55,93.3 213.4,93.3 132.949,93.323 123.95,94.05 202.55,94.05 238.4,94.05 157.949,94.073 43.5,94.4 55,94.4 60,94.4 216.45,94.4 227.95,94.4 232.95,94.4 98.7,94.8 110.2,94.8 115.2,94.8 177.3,94.8 188.8,94.8 193.8,94.8 213.15,94.8 224.65,94.8 229.65,94.8 132.699,94.823 144.199,94.823 149.199,94.823 123.95,96.3 202.55,96.3 238.4,96.3 157.949,96.323 55,96.4 60,96.4 227.95,96.4 232.95,96.4 110.2,96.8 115.2,96.8 188.8,96.8 193.8,96.8 224.65,96.8 229.65,96.8 144.199,96.823 149.199,96.823
  other v3: 106.15,237.675 107.9,237.675 106.125,238.55 107.925,238.55 106.15,239.425 107.9,239.425
GPIO51: J14.A82 TP3.1 | length 22.5
  TopLayer w0.15: J14.A82@76.675,270.05 76.675,268.85 v1(77.175,268.35)
  MidLayer4 w0.15: v1(77.175,268.35) 77.45,268.35 77.775,268.675 77.775,269.4 77.075,270.1 77.075,284.8 77.725,285.45 TP3.1@77.725,288
GPIO52: J14.A84 TP5.1 | length 23.6
  TopLayer w0.15: J14.A84@76.175,270.05 76.175,268.175 v1(76.675,267.675)
  MidLayer4 w0.15: TP5.1@75.8,288 77.1,286.7 77.1,285.391 76.675,284.966 v1(76.675,267.675)
GPIO57: J14.A98 R22.1 | length 99.2
  TopLayer w0.15: J14.A98@72.675,270.05 72.675,268.975 73.7,267.95 v1(74.175,267.95)
  MidLayer3 w0.15: v1(74.175,267.95) 74.675,268.45 74.675,273.475 75.325,274.125 75.325,274.775 75.55,275 81.5,275 82.1,275.6 82.1,278.025 83.59,279.515 129.734,279.515 131.455,281.236 131.455,295.28 136.525,300.35 136.525,304.25 v1(138.5,306.225)
  BottomLayer w0.15: R22.1@138.5,305.5 v1(138.5,306.225)
GPIO58: J14.A100 TP7.1 | length 19.7
  TopLayer w0.15: v1(70.675,272.175) 71.4,272.175 72.175,271.4 J14.A100@72.175,270.05
  MidLayer4 w0.15: v1(70.675,272.175) 71.35,272.175 74.825,275.65 74.825,284.175 73.625,285.375 TP7.1@73.625,286.075
GPIO63: J14.A92 TP9.1 | length 19.5
  TopLayer w0.15: v1(74.175,268.7) J14.A92@74.175,270.05
  MidLayer4 w0.15: v1(74.175,268.7) 75.18,269.705 75.18,271.055 75.675,271.55 75.675,284.625 76.05,285 TP9.1@76.05,286.075
GPIO64: J14.A94 TP11.1 | length 19.2
  TopLayer w0.15: J14.A94@73.675,270.05 73.675,270.925 v1(74.175,271.425)
  MidLayer4 w0.15: TP11.1@73.875,288 74.825,287.05 74.825,285.25 75.25,284.825 75.25,272.5 v1(74.175,271.425)
GTP_REF0.IO_N: C93.2 J14.B6 | length 78.6
  TopLayer w0.15: v1(95.59,225.875) 95.762,226.047 95.762,227.337 95.675,227.425 J14.B6@95.675,228.05
  TopLayer w0.25: C93.2@167.875,230.275 168.325,229.825 168.325,228.498 v1(168.203,228.375)
  BottomLayer w0.25: v1(95.59,225.875) 95.799,225.875 96.449,226.525 167.15,226.525 168.325,227.7 168.325,228.252 v1(168.203,228.375)
GTP_REF0.IO_P: C92.2 J14.B4 | length 79.5
  TopLayer w0.15: 96.06,225.35 96.087,225.377 96.087,227.337 96.175,227.425 J14.B4@96.175,228.05
  TopLayer w0.25: v1(168.873,228.375) 168.75,228.498 168.75,229.825 C92.2@169.2,230.275
  BottomLayer w0.25: 96.087,225.377 96.06,225.35 96.06,225.535 96.625,226.1 167.326,226.1 168.75,227.524 168.75,228.252 v1(168.873,228.375)